# Altium PCB 28_28.PcbDoc (continued)
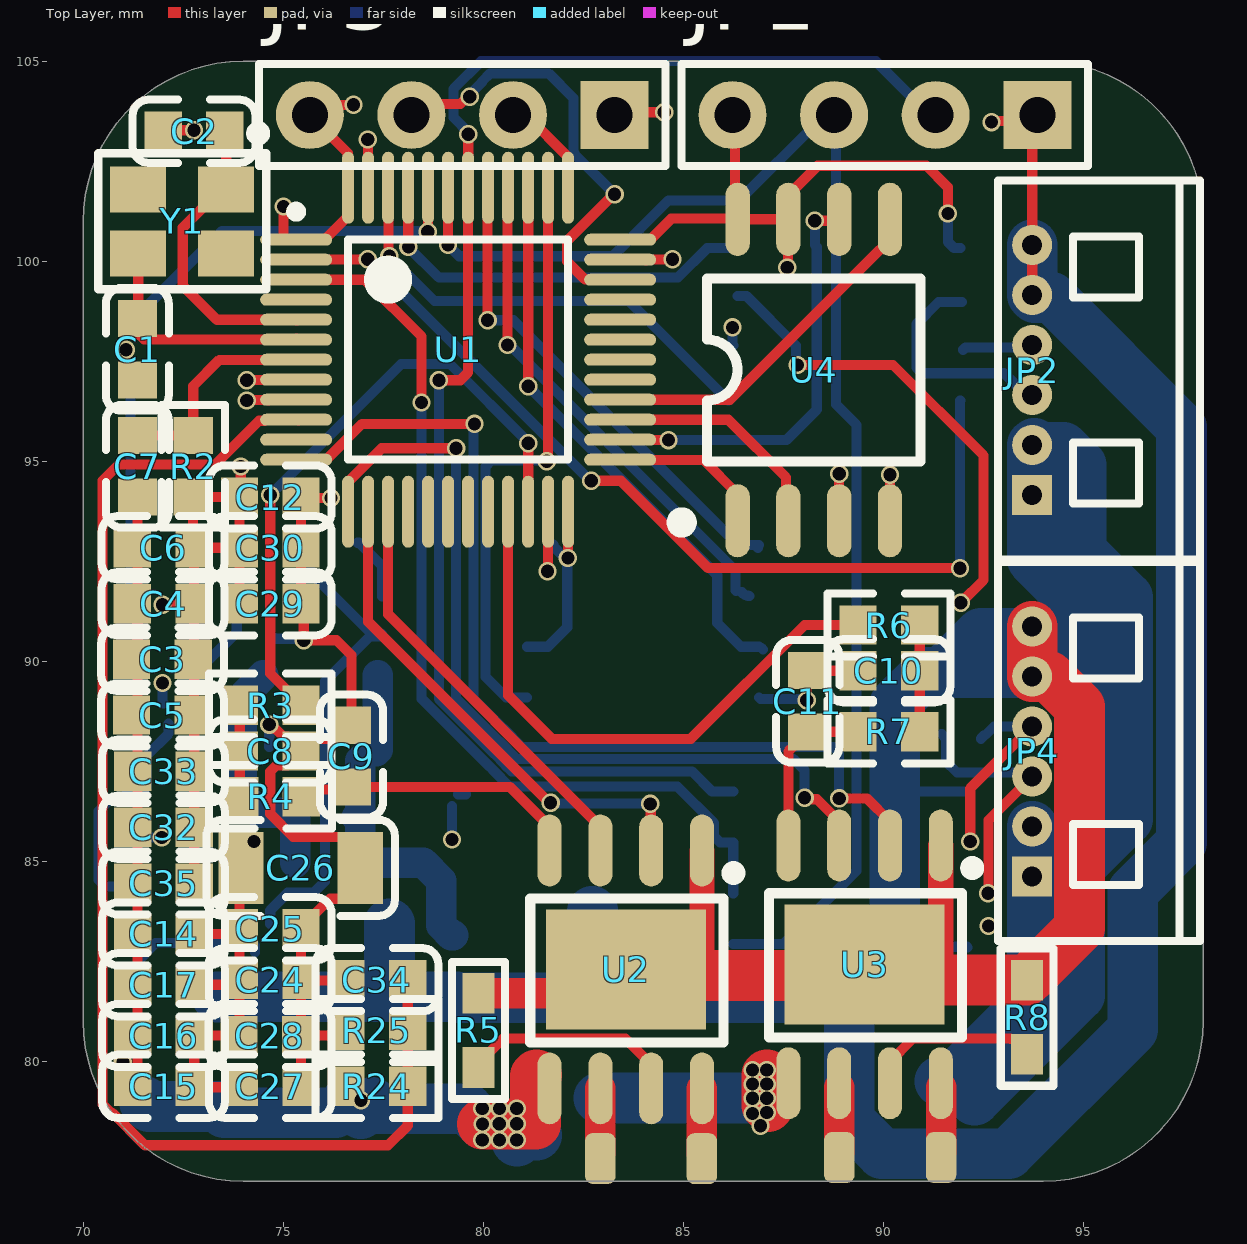
[diagram p0: Top Layer view]
## Part data
C1 C2 C7: library part "0603 20pF (200) 5% 50V", "贴片电容", Package=0603, SuppliersPartNumber=C1648, ComponentLink1Description=供应商链接, ComponentLink1URL=http://www.szlcsc.com/product/details_2000.html, Supplier=LC
C3 C4 C5 C6 C8 C9 C10 C11 C15 C17 C21 C22 C24 C27 C29 C32 C33 C34 C35: library part "0603 100nF (104) 10% 50V", "贴片电容", Package=0603, SuppliersPartNumber=C14663, ComponentLink1Description=供应商链接, ComponentLink1URL=http://www.szlcsc.com/product/details_15331.html, Supplier=LC
C12 C14 C16 C25 C28 C30: library part "0603 10uF (106) 10% 10V", "贴片电容", Package=0603, SuppliersPartNumber=C19702, ComponentLink1Description=供应商链接, ComponentLink1URL=http://www.szlcsc.com/product/details_20411.html, Supplier=LC
C18 C19 C20: library part Cap, "贴片电容", LatestRevisionDate=17-Jul-2002, LatestRevisionNote="Re-released for DXP Platform.", PackageDescription="Radial Cap, Thru-Hole; 2 Leads; 0.3 in Pin Spacing", PackageReference=RAD-0.3, Published=8-Jun-2000, Publisher="Altium Limited"
C23: library part "0603 100pF (101) 5% 50V", "贴片电容", Package=0603, SuppliersPartNumber=C14858, ComponentLink1Description=供应商链接, ComponentLink1URL=http://www.szlcsc.com/product/details_15530.html, Supplier=LC
C26: library part "1206 10uF (106) 10% 50V", "贴片电容", Package=1206, SuppliersPartNumber=C13585, ComponentLink1Description=供应商链接, ComponentLink1URL=http://www.szlcsc.com/product/details_14236.html, Supplier=LC
C31: library part "1206 4.7uF (475) 10% 50V", "贴片电容", Package=1206, SuppliersPartNumber=C29823, ComponentLink1Description=供应商链接, ComponentLink1URL=http://www.szlcsc.com/product/details_30577.html, Supplier=LC
D1: library part "SMA(DO-214AC) SS54", "二极管", Package=SMA(DO-214AC), SuppliersPartNumber=C22452, ComponentLink1Description=供应商链接, ComponentLink1URL=http://www.szlcsc.com/product/details_23178.html, Supplier=LC
D2: library part "SMB/DO-214AA P6SMB6.8CA", "TVS", Package=SMB/DO-214AA, SuppliersPartNumber=C78395, ComponentLink1Description=供应商链接, ComponentLink1URL=http://www.szlcsc.com/product/details_79530.html, Supplier=LC
D3 D4: library part "SOD-323 1N4148WS T4", "二极管", Package=SOD-323, SuppliersPartNumber=C2128, ComponentLink1Description=供应商链接, ComponentLink1URL=http://www.szlcsc.com/product/details_2485.html, Supplier=LC
JP1 JP3: library part "Header 4", "4P接插件", 0.0_BOM名称=4P接插件, 1.库作者=冰凌猫, 2.库版本="v2.0 (2021.03.30)", 3.交流分享=Q群514746572,开源更新,欢迎一起交流学习PCB设计, 4.作者声明=旨为整合最全库集,欢迎转载,禁止商用！-冰凌猫, 5.备注说明=该库已二次整合过网上各热销库,基本最全,无需重复搜购安装
JP2 JP4: library part "Header 6", "6P接插件", 0.0_BOM名称=6P接插件, 1.库作者=冰凌猫, 2.库版本="v2.0 (2021.03.30)", 3.交流分享=Q群514746572,开源更新,欢迎一起交流学习PCB设计, 4.作者声明=旨为整合最全库集,欢迎转载,禁止商用！-冰凌猫, 5.备注说明=该库已二次整合过网上各热销库,基本最全,无需重复搜购安装
L1: library part IND, "贴片电感"
R1 R2 R21 R24: library part "0603 10KΩ (1002) 1%", "贴片电阻", Package=0603, SuppliersPartNumber=C25804, ComponentLink1Description=供应商链接, ComponentLink1URL=http://www.szlcsc.com/product/details_26547.html, Supplier=LC
R3 R4 R6 R7 R25: library part "0603 1KΩ (1001) 1%", "贴片电阻", Package=0603, SuppliersPartNumber=C21190, ComponentLink1Description=供应商链接, ComponentLink1URL=http://www.szlcsc.com/product/details_21904.html, Supplier=LC
R5 R8: library part R, "贴片电阻", 0.0_BOM名称=贴片电阻, 1.库作者=冰凌猫, 2.库版本="v2.0 (2021.03.30)", 3.交流分享=Q群514746572,开源更新,欢迎一起交流学习PCB设计, 4.作者声明=旨为整合最全库集,欢迎转载,禁止商用！-冰凌猫, 5.备注说明=该库已二次整合过网上各热销库,基本最全,无需重复搜购安装
R19 R20: library part "0603 12KΩ (1202) 1%", "贴片电阻", Package=0603, SuppliersPartNumber=C22790, ComponentLink1Description=供应商链接, ComponentLink1URL=http://www.szlcsc.com/product/details_23517.html, Supplier=LC
R22: library part "0603 1KΩ (1001) 1%_1", "贴片电阻", Package=0603, SuppliersPartNumber=C21190, ComponentLink1Description=供应商链接, ComponentLink1URL=http://www.szlcsc.com/product/details_21904.html, Supplier=LC
R23: library part "0603 1MΩ (1004) 1%", "贴片电阻", Package=0603, SuppliersPartNumber=C22935, ComponentLink1Description=供应商链接, ComponentLink1URL=http://www.szlcsc.com/product/details_23662.html, Supplier=LC
U1: "STM32 ARM-based 32-bit MCU Performance Line with 128 kB Flash, 20 kB Internal RAM, -40 to +85癈 Temperature, 48-Pin LQFP, Tray", ComponentLink1Description="Manufacturer URL", ComponentLink1URL=http://www.st.com/, ComponentLink2Description="STM32F103 Datasheet", ComponentLink2URL=http://www.st.com/internet/com/TECHNICAL_RESOURCES/TECHNICAL_LITERATURE/DATASHEET/CD00161566.pdf, ComponentLink3Description="STM32 Family Web Page", ComponentLink3URL=www.st.com/stm32, DatasheetVersion="rev13.0, Apr-2011", PackageDescription="48-Pin Low-Profile Quad Flat Pack, 7 x 7 mm Body, 0.5 mm Pitch (LQFP48)", PackageReference=LQFP48, PackageVersion="rev13, Apr-2011"
U2 U3: library part A4950ELJTR-T, "直流电机驱动器", BOM_LCSC Assembly=Yes, BOM_Manufacturer=ALLEGRO, BOM_Manufacturer Part=A4950ELJTR-T, BOM_Supplier=LCSC, BOM_Supplier Part=C82404, SMT Type=Extend, spicePre=U, spiceSymbolName=A4950ELJTR-T
U4: library part W25Q128, "SPI FLASH", 1.库作者=冰凌猫, 2.库版本="v2.0 (2021.03.30)", 3.交流分享=Q群514746572,开源更新,欢迎一起交流学习PCB设计, 4.作者声明=旨为整合最全库集,欢迎转载,禁止商用！-冰凌猫, 5.备注说明=该库已二次整合过网上各热销库,基本最全,无需重复搜购安装
U7: library part SN75176BDR_[C7063], "RS-485/RS-422", Package=SOIC-8_150mil, SuppliersPartNumber=C7063, ComponentLink1Description=供应商链接, ComponentLink1URL=http://www.szlcsc.com/product/details_7535.html, Supplier=LC
U8: library part CAN/TJA1051T/3_[C38695], "CAN", Package=SOIC-8_150mil, SuppliersPartNumber=C38695, ComponentLink1Description=供应商链接, ComponentLink1URL=http://www.szlcsc.com/product/details_39678.html, Supplier=LC
U9: library part MP2451DT-LF-Z_[C14123], "DC-DC芯片", Package=SOT-23-6, SuppliersPartNumber=C14123, ComponentLink1Description=供应商链接, ComponentLink1URL=http://www.szlcsc.com/product/details_14780.html, Supplier=LC
U10: "磁角度传感器"
VR1: library part "SOT-23 XC6206P332MR", "低压差线性稳压(LDO)", Package=SOT-23, SuppliersPartNumber=C5446, ComponentLink1Description=供应商链接, ComponentLink1URL=http://www.szlcsc.com/product/details_5896.html, Supplier=LC
Y1: library part "SMD-3225_4P  12MHZ 20PF 10PPM", "贴片晶振", Package=SMD-3225_4P, SuppliersPartNumber=C9002, ComponentLink1Description=供应商链接, ComponentLink1URL=http://www.szlcsc.com/product/details_9522.html, Supplier=LC

## Free pads (board coordinates)
  rrect50% 0.762x1.27 smd: ""(82.931,77.572) ""(85.467,77.568) ""(88.906,77.596) ""(91.446,77.596)

## Via types
v1: diameter 0.457, hole 0.33, Top Layer to Bottom Layer, 78 vias

## Nets (pads, with @x,y where several pads share a name; then routed paths per layer and width w, separated by ;. In a path a pad name is that pad's centre, name@x,y a point inside that pad or via, vN(x,y) a via of type N, cw(c..) or ccw(c..) an arc to the next point about the centre after c; other vN are vias at no path point)
485_A: JP4.4 R20.1 U7.6 | length 4.9
  Top Layer w0.254: v1(92.177,85.496) 92.177,86.823 JP4.4
  Bottom Layer w0.254: R20.1@92.442,88.065 R20.1@92.515,88.138 ; R20.1 92.774,88.372 93.721,88.372 JP4.4@93.751,88.341
485_B: JP4.3 R19.1 U7.7 | length 6.5
  Top Layer w0.254: v1@92.634,84.15 92.634,86.03 JP4.3
  Bottom Layer w0.254: R19.1 91.567,88.079 91.567,87.499 91.848,87.219 93.629,87.219 JP4.3
  other v1: 92.619,84.203
BOOT0: R1. U1.44 | length 9.3
  Top Layer w0.254: v1(78.613,100.736) 78.619,100.742 78.619,101.834 U1.44 ; U1.44@78.613,101.956 U1.44@78.632,101.937
  Bottom Layer w0.254: R1. 71.348,98.636 73.474,100.762 v1@78.613,100.762
CAN_H: JP2.4 U8.7 | length 1.8
  Bottom Layer w0.254: U8.7@91.999,97.79 92.057,97.849 93.667,97.849 JP2.4
CAN_L: JP2.3 U8.6 | length 5.6
  Bottom Layer w0.254: U8.6@91.973,98.984 91.384,98.984 90.83,98.43 90.83,97.35 90.979,97.201 93.024,97.201 93.568,96.657 JP2.3
CAN_RX: U1.45 U8.4 | length 10.1
  Top Layer w0.254: v1(78.13,100.355) 78.128,100.358 78.128,101.826 U1.45@78.13,101.829
  Bottom Layer w0.254: v1(78.13,100.355) 78.892,99.593 84.865,99.593 85.602,100.33 U8.4
CAN_SILENT: U1.2 U8.8 | length 24
  Top Layer w0.254: U1.2@75.311,100.051 75.316,100.045 77.109,100.045 v1(77.114,100.051) ; v1(82.702,94.513) 83.439,94.513 85.623,92.329 v1(91.923,92.329)
  Bottom Layer w0.254: v1(77.114,100.051) 77.14,100.051 82.677,94.513 v1(82.702,94.513) ; v1(91.923,92.329) 91.923,96.516 U8.8
CAN_TX: U1.46 U8.1 | length 11.8
  Top Layer w0.254: U1.46@77.624,101.929 77.634,101.919 77.634,100.157 v1(77.656,100.135)
  Bottom Layer w0.254: v1(77.656,100.135) 78.781,99.009 83.638,99.009 U8.1
GND: C1.2 C2.2 C3.1 C4.1 C5.1 C6.1 C7.2 C8.1 C9.1 C10.1 C11.1 C12.1 C14.2 C15.2 C16.2 C17.2 C18.1 C19.1 C20.1 C24.1 C25.1 C26.1 C27.1 C28.1 C29.1 C30.1 C31.2 C32.1 C33.1 C34.2 C35.2 D2.1 D3.1 JP1.1 JP2.5 JP2.6 JP3.1 JP4.5 JP4.6 R1.2 R5.2 R8.2 R19.2 R20.2 R22.1 R25.2 U1.8 U1.23 U1.35 U1.47 U2.1 U2.9 U3.1 U3.9 U4.4 U7.5 U8.2 U9.2 U10.8 VR1.1 | length 157.1
  Top Layer w0.254: C15.2@70.993,79.654 v1(70.993,79.985) ; C1.2@71.069,97.206 v1(71.069,97.79) ; C15.2 C15.2@71.355,79.491 ; C17.2 71.239,81.94 C17.2@71.355,82.056 ; C1.2@71.33,97.029 C1.2 C1.2@71.366,97.04 ; C7.2@71.353,94.11 C7.2 C17.2@71.355,82.056 ; C15.2@71.355,79.254 C15.2@71.355,79.491 ; C2.2@72.085,103.251 72.111,103.276 v1(72.771,103.276) ; v1(74.092,97.028) 74.098,97.034 74.682,97.034 U1.8@74.701,97.053 ; v1(74.651,88.417) 74.706,88.417 75.003,88.12 75.108,88.12 75.424,87.804 75.424,87.769 C8.1@75.463,87.808 ; U1.8@75.323,97.04 U1.8@75.336,97.053 ; C8.1@75.413,87.757 75.413,87.699 75.108,87.394 74.825,87.394 74.676,87.245 74.676,86.186 75.253,85.609 76.49,85.609 76.928,85.171 C26.1 ; C27.1@75.438,79.375 75.446,79.383 C28.1@75.446,80.645 ; C28.1 C28.1@75.446,80.645 ; C29.1@75.438,91.423 75.514,91.347 v1(75.514,90.526) 76.335,90.526 76.708,90.153 C9.1 ; C8.1 75.751,88.062 76.353,88.062 C9.1@76.683,88.392 ; C29.1 C12.1@75.446,94.082 ; C12.1@75.616,94.082 v1(76.196,94.082) ; C34.2@76.556,82.017 75.471,82.017 C24.1 ; R25.2@76.632,80.747 76.53,80.645 C28.1@75.446,80.645 ; C26.1@76.81,84.303 76.57,84.063 76.172,84.063 75.446,83.337 C25.1 C24.1 ; U1.47@77.114,102.489 77.12,102.494 77.12,103.042 v1(77.114,103.048) ; U1.47 U1.47@77.132,101.833 ; v1(81.61,92.253) 81.618,92.26 81.618,93.033 U1.23@81.61,93.04 ; JP3.1@83.972,103.708 83.99,103.726 v1(84.53,103.726) ; U1.35@84.074,100.025 84.094,100.045 84.729,100.045 v1(84.734,100.051) ; v1(88.087,89.027) C11.1@88.087,89.611 ; C11.1@88.113,89.764 C10.1 ; U3.9@89.56,82.093 U3.9@89.624,82.029 ; v1(90.17,94.666) 90.17,94.132 U4.4@90.195,94.107 ; U3.1@91.408,85.363 U3.1 ; v1(92.71,103.48) 92.735,103.505 JP1.1@93.091,103.505 ; JP2.5@93.726,99.136 JP2.5 JP2.6 ; JP2.6@93.751,100.482 93.726,100.508 93.726,103.378 JP1.1@93.853,103.505 ; C15.2@71.355,79.491 C17.2@71.355,82.056 ; C28.1@75.446,80.645 C24.1
  Top Layer w0.635: U2.9@85.446,82.525 85.471,82.55 U2.1 ; U3.9@91.44,82.118 U3.1
  Top Layer w0.762: R5.2 82.385,81.699 U2.9@82.525,81.839 ; U3.9@89.256,82.144 U3.9
  Top Layer w1.27: U2.9@83.388,82.144 U3.9@89.256,82.144 ; U3.9@91.44,82.029 R8.2 ; R8.2@93.726,82.144 94.912,83.329 94.912,88.863 94.153,89.622 JP4.5 ; JP4.5@93.726,89.764 JP4.6
  Bottom Layer w0.254: R1.2@71.069,97.434 v1(71.069,97.79) ; VR1.1@71.222,91.415 71.186,91.45 71.186,96.959 R1.2 ; R22.1@71.298,85.573 71.321,85.596 v1(71.963,85.596) ; D3.1@74.651,87.859 v1(74.651,88.417) ; U9.2 74.787,90.564 75.475,90.564 v1(75.514,90.526) ; v1(86.233,98.349) 86.233,97.917 U8.2@86.258,97.892 ; U10.8 86.934,89.061 88.053,89.061 v1(88.087,89.027) ; 90.297,86.741 U7.5 ; JP4.5 93.741,89.622 JP4.5@93.751,89.611
  Bottom Layer w1.27: C20.1@73.355,81.61 73.358,81.613 C19.1@77.656,81.613 ; C31.2 C19.1@77.656,81.613 ; D2.1 82.753,83.719 82.753,81.712 ; JP4.6@93.548,90.703 92.448,90.703 R19.2 ; JP4.5@93.574,89.738 93.556,89.721 R19.2 ; JP2.6 JP2.5 93.79,99.093 94.217,99.093 97.46,95.85 97.46,85.471 96.241,84.252 96.241,80.797 93.134,77.691 89.97,77.691 89.154,78.507 89.154,81.585 89.152,81.587 ; C19.1@77.656,81.613 79.349,81.613 C18.1 89.152,81.587 ; 89.152,81.587 90.29,81.587 90.29,88.93 91.081,89.721 R19.2
IN_AM: U1.14 U2.2 | length 12.8
  Top Layer w0.254: U1.14 77.125,90.989 81.653,86.462 v1(81.686,86.462) ; v1(84.176,86.436) 84.188,86.424 84.188,85.331 U2.2@84.214,85.306
  Bottom Layer w0.254: v1(81.686,86.462) 81.699,86.449 84.163,86.449 v1(84.176,86.436)
IN_AP: U1.15 U2.3 | length 10.8
  Top Layer w0.254: U1.15@77.622,93.828 77.625,93.825 U1.15 77.625,91.173 82.931,85.867 U2.3
IN_BM: U1.12 U3.2 | length 24.5
  Top Layer w0.254: U1.12@75.387,95.061 75.393,95.055 76.09,95.055 76.971,95.936 v1(79.781,95.936) ; v1(88.9,86.573) 89.591,86.573 90.17,85.994 U3.2@90.17,85.471
  Bottom Layer w0.254: v1(79.781,95.936) 79.756,95.91 79.756,89.063 80.515,88.303 80.526,88.303 80.97,87.859 88.751,87.859 88.9,87.71 v1(88.9,86.573)
IN_BP: U1.13 U3.3 | length 21.9
  Top Layer w0.254: U1.13 76.625,94.49 77.461,95.326 v1(79.324,95.326) ; v1(88.036,86.589) 88.075,86.55 88.344,86.55 88.9,85.994 U3.3
  Bottom Layer w0.254: v1(79.324,95.326) 79.324,89.063 80.389,87.998 80.4,87.998 80.844,87.554 87.761,87.554 88.036,87.278 v1(88.036,86.589)
IN_PWM_A: R3.1 U1.22 | length 15.5
  Top Layer w0.254: v1@74.625,94.107 74.633,94.107 74.676,94.064 74.676,89.695 75.446,88.925 R3.1 ; U1.22@81.128,94.183 81.126,94.184 81.126,95.452 v1(81.128,95.453)
  Bottom Layer w0.254: v1(74.676,94.158) 77.953,97.434 79.172,97.434 81.128,95.479 v1(81.128,95.453)
IN_PWM_B: R6.1 U1.21 | length 15
  Top Layer w0.254: U1.21@80.604,93.751 80.625,93.73 80.625,89.149 81.712,88.062 85.192,88.062 88.036,90.907 R6.1
MT6816_CS: U1.38 U10.1 | length 14.8
  Top Layer w0.254: v1(81.588,94.999) 81.618,95.029 81.618,101.709 U1.38@81.625,101.716
  Bottom Layer w0.254: U10.1 80.575,89.095 80.061,89.609 80.061,94.873 80.21,95.021 81.566,95.021 v1(81.588,94.999)
NetC8_2: C8.2 R3.2 R4.1 | length 2.3
  Top Layer w0.254: R3.2@73.889,88.9 73.914,88.875 R4.1
NetC10_2: C10.2 R6.2 R7.1 | length 2.8
  Top Layer w0.254: C10.2@90.907,89.789 90.915,89.781 R7.1 ; R6.2 90.915,89.73 C10.2@90.932,89.713
NetC21_1: C21.1 C22.1 U9.1 | length 6.2
  Bottom Layer w0.254: U9.1@74.382,89.687 U9.1@74.727,89.687
  Bottom Layer w0.762: U9.1@74.504,89.647 73.961,89.104 73.961,86.661 74.408,86.215 75.219,86.215 75.303,86.131 C21.1 ; C22.1 C21.1@75.303,86.063
NetC21_2: C21.2 C22.2 D3.2 L1.1 U9.6 | length 8.7
  Bottom Layer w0.762: D3.2@77.216,87.757 77.168,87.757 76.927,87.516 76.927,86.19 C21.2 76.927,86.022 76.927,84.973 76.937,84.963 78.506,84.963 78.953,84.517 78.953,83.401 79.207,83.147 L1.1 ; D3.2 77.329,87.757 77.363,87.791 U9.6@77.363,89.647
NetC23_1: C23.1 R21.1 R22.2 U9.3 | length 8.1
  Bottom Layer w0.254: C23.1 R22.2 72.779,86.825 R21.1@72.796,86.843 ; R21.1@72.779,86.893 72.779,89.67 73.838,90.729 73.838,91.237 U9.3@74.193,91.592
NetC31_1: C31.1 D4.2 R23.1 U9.5 | length 16.5
  Bottom Layer w0.254: D4.2 71.374,82.515 71.815,82.956 74.238,82.956 74.295,82.899 C31.1@74.295,82.728 ; C31.1 74.676,83.774 75.114,84.212 75.758,84.212 76.048,84.501 76.048,89.503 77.172,90.627 U9.5@77.419,90.627 ; R23.1@75.59,92.989 75.666,92.913 75.666,92.235 77.223,90.678 U9.5
NetR5_1: R5.1 U2.7 | length 5
  Top Layer w0.254: R5.1 79.883,79.953 80.499,80.569 83.555,80.569 84.216,79.908 U2.7@84.277,79.908
NetR8_1: R8.1 U3.7 | length 4.4
  Top Layer w0.254: U3.7@90.145,79.451 90.145,79.966 90.747,80.569 93.177,80.569 93.19,80.556 93.326,80.556 93.599,80.283 R8.1
NetR23_2: R23.2 U9.4 | length 1.6
  Bottom Layer w0.254: R23.2@76.86,92.964 76.894,92.964 77.473,92.385 U9.4
NRST: C7.1 R2.1 U1.7 | length 5.5
  Top Layer w0.254: C7.1 R2.1 72.752,96.882 73.406,97.536 U1.7@75.336,97.536
OSC_IN: C2.1 U1.5 Y1.1 | length 7.6
  Top Layer w0.254: C2.1 73.576,103.216 Y1.1 73.451,101.8 72.492,100.841 72.492,99.39 73.342,98.54 75.32,98.54 U1.5@75.338,98.522
OSC_OUT: C1.1 U1.6 Y1.3 | length 6.1
  Top Layer w0.254: C1.1 71.374,98.55 C1.1@71.374,98.527 ; Y1.3@71.355,100.179 Y1.3 71.376,98.529 C1.1@71.374,98.527 ; U1.6@75.336,98.069 75.311,98.044 71.523,98.044 71.374,98.193 C1.1@71.374,98.527
OUT_A+: pad.@82.931,77.572 U2.6 | length 1.6
  Top Layer w0.762: pad.@82.931,77.699 U2.6
OUT_A-: pad.@85.467,77.568 U2. | length 1.6
  Top Layer w0.762: pad.@85.467,77.695 U2.@85.467,79.32
OUT_B+: pad.@88.906,77.596 U3.6 | length 1.6
  Top Layer w0.762: pad.@88.906,77.723 U3.6@88.906,79.349
OUT_B-: pad.@91.446,77.596 U3.8 | length 1.6
  Top Layer w0.762: pad.@91.446,77.723 U3.8@91.446,79.349
POWER_I: U1.11
POWER_U: C34.1 R24.2 R25.1 U1.10 | length 33
  Top Layer w0.254: U1.10@75.387,96.019 75.375,96.031 74.554,96.031 74.535,96.012 74.397,96.012 73.304,94.92 70.891,94.92 70.485,94.513 70.485,78.923 70.7,78.707 70.736,78.707 71.542,77.902 77.622,77.902 78.113,78.392 R24.2 78.113,81.983 C34.1@78.105,81.991
RS485_DIR: U1.3 U7.2 U7.3 | length 23.5
  Top Layer w0.254: U1.3@75.311,99.543 75.314,99.54 U1.3 77.041,99.54 78.461,98.12 v1(78.461,96.469)
  Bottom Layer w0.254: v1(78.461,96.469) 78.461,89.065 80.137,87.389 80.147,87.389 80.251,87.285 80.251,87.274 80.657,86.868 84.857,86.868 85.764,85.961 85.764,85.631 85.924,85.471 U7.3 ; U7.3@86.233,85.446 86.254,85.425 U7.2
RS485_RX: JP1.3 U1.43 U7.1 | length 35.2
  Top Layer w0.254: v1(79.121,100.406) 79.123,100.408 79.123,101.725 U1.43@79.121,101.727 ; JP1.3@88.76,103.492 JP1.3@88.773,103.505
  Bottom Layer w0.254: v1(79.121,100.406) 79.4,100.127 83.236,100.127 84.633,101.524 86.401,101.524 88.382,103.505 JP1.3@88.773,103.505 ; U7.1 87.503,82.931 89.332,84.76 89.332,95.91 88.824,96.418 JP1.3@88.824,103.403
RS485_TX: JP1.2 U1.42 U7.4 | length 37.3
  Top Layer w0.254: v1(78.892,97.028) 79.426,97.028 79.625,97.227 U1.42 ; U1.42@79.629,101.854 79.627,101.856 79.627,103.173 v1(79.629,103.175) ; JP1.2@91.288,103.48 JP1.2@91.313,103.505
  Bottom Layer w0.254: v1(78.892,97.028) 78.892,89.064 80.263,87.694 80.273,87.694 80.556,87.411 80.556,87.4 80.707,87.249 85.221,87.249 85.729,86.741 U7.4 ; v1(79.629,103.175) 79.629,103.23 79.26,103.599 79.26,104.31 79.953,105.004 89.814,105.004 JP1.2@91.313,103.505
SIGNAL_ALERT: U1.19
SIGNAL_DIR: U1.17
SIGNAL_ENA: U1.18
SIGNAL_PUL: U1.16
SPI1_MISO: U1.40 U10.6 | length 12.8
  Top Layer w0.254: v1(80.611,97.905) U1.40@80.611,101.837
  Bottom Layer w0.254: v1@80.569,97.942 80.645,97.866 80.712,97.866 86.309,92.269 86.309,91.775 U10.6@86.324,91.76 ; U10.6@86.463,91.73 ccw(c86.661,91.889) U10.6@86.659,91.635
SPI1_MOSI: U1.41 U10.5 | length 12.4
  Top Layer w0.254: v1(80.112,98.527) U1.41@80.112,101.752
  Bottom Layer w0.254: v1(80.112,98.527) 80.753,98.527 86.375,92.905 U10.5 ; U10.5@86.834,92.871 U10.5@86.868,92.837
SPI1_SCK: U1.39 U10.7 | length 14.2
  Top Layer w0.254: U1.39 U1.39 81.126,96.877 v1(81.128,96.876)
  Bottom Layer w0.254: v1(81.128,96.876) 85.852,92.151 85.852,90.957 86.444,90.365 U10.7 ; U10.7@86.961,90.331 U10.7@86.995,90.297
SPI2_MISO: U1.27 U4.2 | length 5.9
  Top Layer w0.254: U1.27 86.129,96.04 87.57,94.598 87.57,93.574 U4.2
SPI2_MOSI: U1.28 U4.5 | length 8.9
  Top Layer w0.254: U1.28@83.47,96.54 86.168,96.54 89.89,100.263 89.896,100.263 90.17,100.537 U4.5
SPI2_SCK: U1.26 U4.6 | length 10.5
  Top Layer w0.254: U1.26@83.49,95.529 83.495,95.535 84.628,95.535 v1(84.633,95.529) ; v1(88.29,101.016) 88.875,101.016 U4.6@88.9,101.041
  Bottom Layer w0.254: v1(84.633,95.529) 87.579,95.529 88.341,96.291 88.341,100.358 88.293,100.406 88.293,101.013 v1(88.29,101.016)
SWCLK: JP3.2 U1.37 | length 2.5
  Top Layer w0.254: JP3.2@80.772,103.632 81.102,103.632 82.116,102.618 82.116,101.87 U1.37@82.125,101.861
SWDIO: JP3.3 U1.34 | length 11.4
  Top Layer w0.254: JP3.3@78.232,103.632 78.534,103.934 79.431,103.934 79.611,104.115 v1(79.666,104.115) ; v1(83.287,101.676) 83.261,101.676 82.098,100.513 82.098,99.994 82.544,99.549 U1.34@83.481,99.549
  Bottom Layer w0.254: v1(79.666,104.115) 79.666,104.17 79.97,104.473 79.97,104.494 80.175,104.699 81.636,104.699 82.259,104.076 82.259,102.734 82.284,102.708 82.284,102.679 v1(83.287,101.676)
USB_DM: U1.32
USB_DP: U1.33
VCC: C18.2 C19.2 C20.2 D1.2 D2.2 D4.1 R24.1 U2.5 U3.5 | length 16.5
  Top Layer w0.254: U2.5@81.674,79.985 U2.5@81.788,79.985
  Top Layer w1.27: v1(79.985,78.435) 81.305,78.435 81.305,79.629 81.331,79.654 ; v1@87.097,79.654 87.097,78.892 v1@87.122,78.867
  Bottom Layer w1.27: D4.1@71.526,78.994 71.653,78.867 73.406,78.867 C20.2 ; C20.2@73.534,78.714 C19.2@76.301,78.714 ; C19.2@76.606,79.019 C19.2@76.939,78.687 ; C19.2@77.22,78.969 77.375,78.814 C18.2@79.606,78.814 ; C18.2@79.733,78.687 v1(79.985,78.435) ; v1@80.848,78.435 80.848,78.003 81.064,78.219 81.13,78.153 81.331,78.153 ; D2.2@82.893,79.083 D1.2@86.766,79.083
  other v1: 79.976,78.033 80.408,78.033 80.839,78.033 86.935,78.388 80.402,78.439 80.839,78.439 86.732,78.693 87.088,78.718 79.976,78.82 80.408,78.82 80.839,78.82 76.944,79.025 86.732,79.074 87.088,79.074 86.732,79.43 87.088,79.43 86.732,79.785 87.088,79.785
VCC_3.3: C3.2 C4.2 C5.2 C6.2 C12.2 C29.2 C30.2 C32.2 C33.2 C35.1 JP1.4 JP3.4 R2.2 U1.1 U1.9 U1.24 U1.36 U1.48 U4.3 U4.7 U4.8 U8.5 U10.2 U10.4 VR1.2 | length 42.4
  Top Layer w0.254: v1(71.984,91.415) C4.2@72.768,91.415 ; C6.2@72.746,92.761 72.746,94.102 R2.2 R2.2@72.777,94.108 ; R2.2@72.746,94.158 72.796,94.107 C12.2 C30.2 C29.2 ; C4.2@72.771,91.415 C4.2@72.768,91.415 ; C35.1 C32.2 C33.2 72.779,88.689 72.768,88.7 C4.2@72.768,91.415 ; C30.2@73.838,92.761 73.762,92.837 C6.2 C4.2 C4.2@72.768,91.415 ; C12.2@73.939,94.488 v1(73.939,94.869) ; v1(74.092,96.52) 74.103,96.531 74.614,96.531 U1.9@74.625,96.52 ; U1.1@74.981,100.533 75.006,100.559 v1(75.006,101.371) ; JP3.4@75.692,103.632 76.616,102.708 U1.48@76.616,101.915 ; U1.1@76.051,100.555 76.078,100.555 76.084,100.561 76.084,100.588 76.577,101.081 76.604,101.081 76.625,101.102 U1.48 ; JP3.4@76.327,103.911 v1(76.759,103.911) ; v1(82.118,92.583) U1.24@82.118,92.964 ; U1.24 82.125,93.002 U1.24@82.146,92.981 ; U1.36 84.175,100.54 84.702,101.067 U4.8@86.309,101.067 ; JP1.4@86.233,103.505 86.296,103.442 86.296,101.105 U4.8@86.309,101.092 ; U4.8 87.596,101.05 U4.7@87.605,101.041 ; v1(87.605,99.847) 87.617,99.86 87.617,100.546 87.63,100.559 U4.7 87.63,101.655 88.362,102.387 91.084,102.387 91.618,101.854 v1(91.618,101.194) ; U4.3@88.9,94.234 v1(88.9,94.691)
  Bottom Layer w0.254: v1(71.984,91.415) 73.05,91.415 VR1.2@73.094,91.371 ; U10.2 81.618,90.365 82.103,90.85 82.103,92.568 v1(82.118,92.583) 82.079,92.622 82.002,92.622 81.763,92.861 U10.4@81.763,92.913 ; v1@91.618,101.18 91.618,100.49 91.778,100.33 U8.5
VCC_5.0: C14.1 C15.1 C16.1 C17.1 C23.2 C24.2 C25.2 C26.2 C27.2 C28.2 L1.2 R21.2 U7.8 U8.3 VR1.3 | length 30
  Top Layer w0.254: C17.1 C24.2@73.812,81.915 ; C14.1 73.863,83.185 C25.2@73.889,83.21 ; C28.2@73.889,80.645 C16.1 C15.1 72.804,79.35 C27.2@73.914,79.35 ; C26.2@73.889,84.811 73.906,84.793 C25.2 C24.2 C28.2@73.906,80.645 ; v1(87.859,97.409) 90.246,97.409 92.507,95.148 92.507,92.03 v1(91.94,91.464)
  Bottom Layer w0.254: C23.2 70.945,84.368 70.547,84.368 70.383,84.531 70.383,86.258 70.63,86.505 70.901,86.505 71.239,86.843 R21.2 ; R21.2@71.501,86.766 71.577,86.842 71.577,87.632 72.136,88.191 VR1.3 ; v1(71.984,89.459) 71.984,88.976 VR1.3@72.009,88.951 ; v1(79.223,85.547) L1.2@79.223,86.385 ; L1.2@79.375,86.677 L1.2@79.566,86.677 ; U8.3@86.36,99.136 86.576,99.136 87.82,97.892 87.82,97.448 v1(87.859,97.409) ; U7.8@91.371,82.862 92.093,82.862 U7.8@92.108,82.847
  other v1: 92.635,83.381 74.27,85.496
VCC_IN: D1.1 JP2.1 JP2.2 JP4.1 JP4.2 | length 38.1
  Bottom Layer w1.27: D1.1@91.415,79.502 91.679,79.502 93.37,81.193 93.726,81.193 JP4.1 ; D1.1@92.287,79.028 94.912,81.653 94.912,84.853 ; JP4.2 93.726,84.658 JP4.1@93.751,84.633 ; JP2.2 JP2.1 93.726,92.549 94.912,91.363 94.912,84.853 ; JP2.2@93.777,95.453 93.878,95.352 94.501,95.352 94.945,94.908 94.945,92.761 96.114,91.592 96.114,86.055 94.912,84.853
VREF_A: C9.2 R4.2 U2.4 | length 7.2
  Top Layer w0.254: R4.2 75.632,86.792 C9.2@76.759,86.792 ; C9.2 80.668,86.86 81.661,85.867 U2.4@81.661,85.369
VREF_B: C11.2 R7.2 U3.4 | length 4.5
  Top Layer w0.254: U3.4@87.655,85.293 87.63,85.319 U3.4 87.63,87.749 87.75,87.869 87.75,87.894 88.088,88.232 C11.2 ; C11.2@88.062,88.24 R7.2
W25Q_CS: U1.25 U4.1 | length 4
  Top Layer w0.254: U1.25 83.428,95.037 85.507,95.037 86.36,94.183 U4.1
pads on no net: U1.4 U1.20 U1.29 U1.30 U1.31 U10.3 Y1.2 Y1.4

## Polygon pours and split planes (outlines as drawn)
GND on Layer 1 (split plane): 74,104.49 94,104.49 94.016,104.491 94.249,104.483 94.497,104.456 94.742,104.412 94.984,104.35 95.22,104.272 95.45,104.176 95.673,104.065 95.888,103.937 96.092,103.795 96.287,103.639 96.469,103.469 96.639,103.287 96.795,103.092 96.937,102.888 97.065,102.673 97.176,102.45 97.272,102.22 97.35,101.984 97.412,101.742 97.456,101.497 97.483,101.249 97.491,101.016 97.49,101 97.49,81 97.491,80.984 97.483,80.751 97.456,80.503 97.412,80.258 97.35,80.016 97.272,79.78 97.176,79.55 97.065,79.327 96.937,79.112 96.795,78.908 96.639,78.713 96.469,78.531 96.287,78.361 96.092,78.205 95.888,78.063 95.673,77.935 95.45,77.824 95.22,77.728 94.984,77.65 94.742,77.588 94.497,77.544 94.249,77.517 94.016,77.509 94,77.51 74,77.51 73.984,77.509 73.751,77.517 73.503,77.544 73.258,77.588 73.016,77.65 72.78,77.728 72.55,77.824 72.327,77.935 72.112,78.063 71.908,78.205 71.713,78.361 71.531,78.531 71.361,78.713 71.205,78.908 71.063,79.112 70.935,79.327 70.824,79.55 70.728,79.78 70.65,80.016 70.588,80.258 70.544,80.503 70.517,80.751 70.509,80.984 70.51,81 70.51,101 70.509,101.016 70.517,101.249 70.544,101.497 70.588,101.742 70.65,101.984 70.728,102.22 70.824,102.45 70.935,102.673 71.063,102.888 71.205,103.092 71.361,103.287 71.531,103.469 71.713,103.639 71.908,103.795 72.112,103.937 72.327,104.065 72.55,104.176 72.78,104.272 73.016,104.35 73.258,104.412 73.503,104.456 73.751,104.483 73.984,104.491
VCC_5.0 on Layer 2 (split plane): 161 vertices, not listed, extent 70.509,77.509 97.491,104.491
VCC_5.0 on Layer 2 (split plane): 94.968,90.878 94.968,78.641 74.171,78.641 70.716,82.096 70.716,91.869 93.977,91.869
VCC_3.3 on Layer 2 (split plane): 92.022,101.14 92.022,95.151 89.151,92.281 73.968,92.281 73.625,92.624 73.583,92.652 73.568,92.655 73.154,93.068 73.154,102.537 74.806,104.188 88.973,104.188

## Other copper
Layer 2 (plane layer: these items are gaps in the copper):
  lines w0.254: 73.025,92.989 73.025,102.591 74.752,104.318 89.027,104.318 92.151,101.194 92.151,95.098 89.205,92.151 73.914,92.151 73.533,92.532 73.508,92.532 73.025,93.015 ; 70.587,82.042 70.587,91.999 94.031,91.999 95.098,90.932 95.098,78.588 95.021,78.511 74.117,78.511 70.587,82.042

## Silkscreen, mask and mechanical layers (free items; w line width, h text height)
Mechanical 1:
  lines w0.254: 66.345,78.637 66.853,77.113 ; 66.345,103.589 66.853,105.113 ; 66.599,77.113 67.107,77.113 ; 66.599,105.113 67.107,105.113 ; 66.853,86.009 66.853,77.113 ; 66.853,96.217 66.853,105.113 ; 67.361,78.637 66.853,77.113 ; 67.361,103.589 66.853,105.113 ; 70.274,107.95 70.274,108.458 ; 71.798,107.696 70.274,108.204 ; 71.798,108.712 70.274,108.204 ; 79.17,108.204 70.274,108.204 ; 89.378,108.204 98.274,108.204 ; 96.75,107.696 98.274,108.204 ; 96.75,108.712 98.274,108.204 ; 98.274,107.95 98.274,108.458 ; 70,81 ccw(c74,81) 74,77 94,77 ccw(c94,81) 98,81 98,101.029 ccw(c94.029,101.029) 94.029,105 74,105 ccw(c74,101) 70,101 70,81
  text "28 (mm)" at 79.424,107.29 h1.52
  text "28 (mm)" at 67.767,86.263 h1.52 r90